# KiCad board SweetBusiness.kicad_pcb (continued)
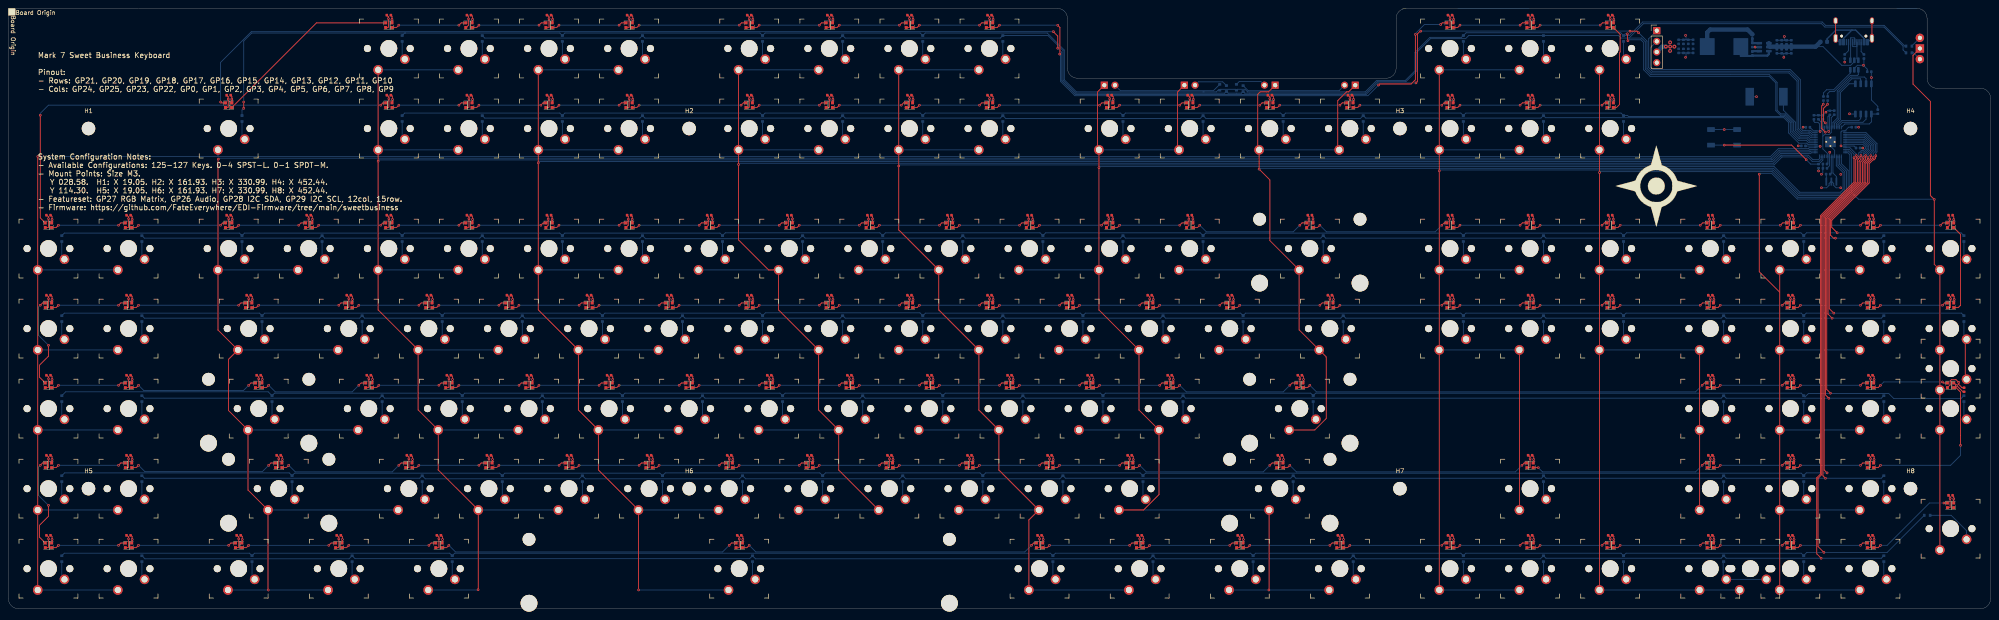
[diagram p0: board, top side]
## Routing (per net, layer and track width the routed paths; a pad name or vN(x,y) marks a point on that pad's centre or on a via; arc(x,y) is an arc through that point) (continued)
Net-(LD32-DOUT): length 18
  Top w0.2: LD32.1 92.32,90.73 v1(92.87,91.28) ; v1(107.16,91.28) 107.71,91.83 LD33.3
  Bottom w0.2: v1(92.87,91.28) v1(107.16,91.28)
Net-(LD33-DOUT): length 18
  Top w0.2: v1(111.92,91.28) 111.37,90.73 LD33.1 ; v1(126.65,91.28) 127.2,91.83 LD34.3
  Bottom w0.2: v1(111.92,91.28) v1(126.65,91.28)
Net-(LD34-DOUT): length 18
  Top w0.2: LD34.1 130.42,90.73 v1(130.97,91.28) ; v1(145.26,91.28) 145.81,91.83 LD35.3
  Bottom w0.2: v1(130.97,91.28) v1(145.26,91.28)
Net-(LD35-DOUT): length 18
  Top w0.2: LD35.1 149.47,90.73 v1(150.02,91.28) ; LD36.3 164.86,91.83 v1(164.31,91.28)
  Bottom w0.2: v1(150.02,91.28) v1(164.31,91.28)
Net-(LD36-DOUT): length 18
  Top w0.2: LD36.1 168.52,90.73 v1(169.07,91.28) ; LD37.3 183.91,91.83 v1(183.36,91.28)
  Bottom w0.2: v1(169.07,91.28) v1(183.36,91.28)
Net-(LD37-DOUT): length 18
  Top w0.2: LD38.3 202.96,91.83 v1(202.41,91.28) ; v1(188.12,91.28) 187.57,90.73 LD37.1
  Bottom w0.2: v1(188.12,91.28) v1(202.41,91.28)
Net-(LD38-DOUT): length 18
  Top w0.2: LD38.1 206.62,90.73 v1(207.17,91.28) ; LD39.3 222.01,91.83 v1(221.46,91.28)
  Bottom w0.2: v1(207.17,91.28) v1(221.46,91.28)
Net-(LD39-DOUT): length 18
  Top w0.2: v1(240.51,91.28) 241.06,91.83 LD40.3 ; LD39.1 225.67,90.73 v1(226.22,91.28)
  Bottom w0.2: v1(226.22,91.28) v1(240.51,91.28)
Net-(LD40-DOUT): length 18
  Top w0.2: LD40.1 244.72,90.73 v1(245.27,91.28) ; LD41.3 260.55,91.83 v1(260,91.28)
  Bottom w0.2: v1(245.27,91.28) v1(260,91.28)
Net-(LD41-DOUT): length 18
  Top w0.2: v1(264.32,91.28) 263.77,90.73 LD41.1 ; LD42.3 279.16,91.83 v1(278.61,91.28)
  Bottom w0.2: v1(264.32,91.28) v1(278.61,91.28)
Net-(LD42-DOUT): length 28.8
  Top w0.2: LD42.1 282.82,90.73 v1(283.37,91.28) ; LD43.3 307.73,91.83 v1(307.18,91.28)
  Bottom w0.2: v1(283.37,91.28) 284.94,89.71 305.61,89.71 v1(307.18,91.28)
Net-(LD43-DOUT): length 33.6
  Top w0.2: v1(340.96,91.28) 341.51,91.83 LD44.3 ; v1(311.94,91.28) 311.39,90.73 LD43.1
  Bottom w0.2: v1(311.94,91.28) 313.52,89.71 339.38,89.71 v1(340.96,91.28)
Net-(LD44-DOUT): length 18
  Top w0.2: LD45.3 360.12,91.83 v1(359.57,91.28) ; LD44.1 344.73,90.73 v1(345.28,91.28)
  Bottom w0.2: v1(345.28,91.28) v1(359.57,91.28)
Net-(LD45-DOUT): length 18
  Top w0.2: v1(379.06,91.28) 379.61,91.83 LD46.3 ; LD45.1 363.78,90.73 v1(364.33,91.28)
  Bottom w0.2: v1(364.33,91.28) v1(379.06,91.28)
Net-(LD46-DOUT): length 22.8
  Top w0.2: LD46.1 382.83,90.73 v1(383.38,91.28) ; v1(402.43,91.28) 402.98,91.83 LD47.3
  Bottom w0.2: v1(383.38,91.28) v1(402.43,91.28)
Net-(LD47-DOUT): length 18
  Top w0.2: LD47.1 406.64,90.73 v1(407.19,91.28) ; v1(421.48,91.28) 422.03,91.83 LD48.3
  Bottom w0.2: v1(407.19,91.28) v1(421.48,91.28)
Net-(LD48-DOUT): length 18
  Top w0.2: v1(440.53,91.28) 441.08,91.83 LD49.3 ; v1(426.24,91.28) 425.69,90.73 LD48.1
  Bottom w0.2: v1(426.24,91.28) v1(440.53,91.28)
Net-(LD49-DOUT): length 18
  Top w0.2: LD50.3 460.13,91.83 v1(459.58,91.28) ; v1(445.29,91.28) 444.74,90.73 LD49.1
  Bottom w0.2: v1(445.29,91.28) v1(459.58,91.28)
Net-(LD50-DOUT): length 21
  Top w0.2: LD73.3 463.79,71.68 464.34,72.23 464.33,72.25 464.33,84.12 464.34,84.14 464.34,89.1 LD50.1
Net-(LD51-DIN): length 18
  Top w0.2: v1(11.91,72.23) 11.36,71.68 LD51.3 ; LD52.1 26.74,72.78 v1(26.19,72.23)
  Bottom w0.2: v1(26.19,72.23) v1(11.91,72.23)
Net-(LD51-DOUT): length 22.5
  Top w0.2: LD51.1 8.13,72.78 v1(7.58,72.23) ; LD74.3 7.39,55.12 7.39,57.94 9.53,60.08 v1(9.53,62.71)
  Bottom w0.2: v1(9.53,62.71) 7.14,65.09 7.14,71.79 v1(7.58,72.23)
Net-(LD52-DIN): length 27.5
  Top w0.2: LD53.1 55.32,72.78 v1(54.77,72.23) ; LD52.3 30.41,71.68 v1(30.96,72.23)
  Bottom w0.2: v1(54.77,72.23) v1(30.96,72.23)
Net-(LD53-DIN): length 22.8
  Top w0.2: LD54.1 79.13,72.78 v1(78.58,72.23) ; v1(59.53,72.23) 58.98,71.68 LD53.3
  Bottom w0.2: v1(78.58,72.23) v1(59.53,72.23)
Net-(LD54-DIN): length 18
  Top w0.2: LD55.1 98.18,72.78 v1(97.63,72.23) ; v1(83.34,72.23) 82.79,71.68 LD54.3
  Bottom w0.2: v1(97.63,72.23) v1(83.34,72.23)
Net-(LD55-DIN): length 18
  Top w0.2: v1(102.39,72.23) 101.84,71.68 LD55.3 ; LD56.1 117.23,72.78 v1(116.68,72.23)
  Bottom w0.2: v1(116.68,72.23) v1(102.39,72.23)
Net-(LD56-DIN): length 18
  Top w0.2: LD56.3 120.89,71.68 v1(121.44,72.23) ; v1(135.73,72.23) 136.28,72.78 LD57.1
  Bottom w0.2: v1(135.73,72.23) v1(121.44,72.23)
Net-(LD57-DIN): length 18
  Top w0.2: v1(154.78,72.23) 155.33,72.78 LD58.1 ; v1(140.49,72.23) 139.94,71.68 LD57.3
  Bottom w0.2: v1(154.78,72.23) v1(140.49,72.23)
Net-(LD58-DIN): length 18
  Top w0.2: v1(159.54,72.23) 158.99,71.68 LD58.3 ; v1(173.83,72.23) 174.38,72.78 LD59.1
  Bottom w0.2: v1(173.83,72.23) v1(159.54,72.23)
Net-(LD59-DIN): length 18
  Top w0.2: v1(178.59,72.23) 178.04,71.68 LD59.3 ; LD60.1 193.43,72.78 v1(192.88,72.23)
  Bottom w0.2: v1(192.88,72.23) v1(178.59,72.23)
Net-(LD60-DIN): length 18
  Top w0.2: LD60.3 197.09,71.68 v1(197.64,72.23) ; LD61.1 212.48,72.78 v1(211.93,72.23)
  Bottom w0.2: v1(211.93,72.23) v1(197.64,72.23)
Net-(LD61-DIN): length 18
  Top w0.2: LD62.1 231.53,72.78 v1(230.98,72.23) ; v1(216.69,72.23) 216.14,71.68 LD61.3
  Bottom w0.2: v1(230.98,72.23) v1(216.69,72.23)
Net-(LD62-DIN): length 18
  Top w0.2: v1(250.03,72.23) 250.58,72.78 LD63.1 ; v1(235.74,72.23) 235.19,71.68 LD62.3
  Bottom w0.2: v1(250.03,72.23) v1(235.74,72.23)
Net-(LD63-DIN): length 18
  Top w0.2: v1(254.79,72.23) 254.24,71.68 LD63.3 ; LD64.1 269.63,72.78 v1(269.08,72.23)
  Bottom w0.2: v1(269.08,72.23) v1(254.79,72.23)
Net-(LD64-DIN): length 18
  Top w0.2: v1(288.13,72.23) 288.68,72.78 LD65.1 ; v1(273.84,72.23) 273.29,71.68 LD64.3
  Bottom w0.2: v1(288.13,72.23) v1(273.84,72.23)
Net-(LD65-DIN): length 22.8
  Top w0.2: v1(292.89,72.23) 292.34,71.68 LD65.3 ; v1(311.94,72.23) 312.49,72.78 LD66.1
  Bottom w0.2: v1(311.94,72.23) v1(292.89,72.23)
Net-(LD66-DIN): length 27.5
  Top w0.2: v1(316.71,72.23) 316.16,71.68 LD66.3 ; v1(340.96,72.23) 341.51,72.78 LD67.1
  Bottom w0.2: v1(340.96,72.23) v1(316.71,72.23)
Net-(LD67-DIN): length 18
  Top w0.2: v1(359.57,72.23) 360.12,72.78 LD68.1 ; v1(345.28,72.23) 344.73,71.68 LD67.3
  Bottom w0.2: v1(359.57,72.23) v1(345.28,72.23)
Net-(LD68-DIN): length 18
  Top w0.2: LD69.1 379.61,72.78 v1(379.06,72.23) ; LD68.3 363.78,71.68 v1(364.33,72.23)
  Bottom w0.2: v1(379.06,72.23) v1(364.33,72.23)
Net-(LD69-DIN): length 22.8
  Top w0.2: v1(402.43,72.23) 402.98,72.78 LD70.1 ; LD69.3 382.83,71.68 v1(383.38,72.23)
  Bottom w0.2: v1(402.43,72.23) v1(383.38,72.23)
Net-(LD70-DIN): length 18
  Top w0.2: LD70.3 406.64,71.68 v1(407.19,72.23) ; LD71.1 422.47,72.78 v1(421.92,72.23)
  Bottom w0.2: v1(421.92,72.23) v1(407.19,72.23)
Net-(LD71-DIN): length 18
  Top w0.2: LD72.1 441.08,72.78 v1(440.53,72.23) ; LD71.3 425.69,71.68 v1(426.24,72.23)
  Bottom w0.2: v1(440.53,72.23) v1(426.24,72.23)
Net-(LD72-DIN): length 18
  Top w0.2: LD73.1 460.57,72.78 v1(460.02,72.23) ; v1(445.29,72.23) 444.74,71.68 LD72.3
  Bottom w0.2: v1(445.29,72.23) v1(460.02,72.23)
Net-(LD74-DOUT): length 18
  Top w0.2: v1(11.91,53.18) 11.36,52.63 LD74.1 ; LD75.3 26.74,53.73 v1(26.19,53.18)
  Bottom w0.2: v1(11.91,53.18) v1(26.19,53.18)
Net-(LD75-DOUT): length 31
  Top w0.2: v1(57.15,53.18) 57.7,53.73 LD76.3 ; v1(30.96,53.18) 30.41,52.63 LD75.1
  Bottom w0.2: v1(30.96,53.18) 32.21,51.93 55.89,51.93 v1(57.15,53.18)
Net-(LD76-DOUT): length 26.5
  Top w0.2: v1(83.34,53.18) 83.89,53.73 LD77.3 ; LD76.1 61.36,52.63 v1(61.91,53.18)
  Bottom w0.2: v1(61.91,53.18) 63.49,51.61 81.77,51.61 v1(83.34,53.18)
Net-(LD77-DOUT): length 18
  Top w0.2: LD77.1 87.56,52.63 v1(88.11,53.18) ; v1(102.39,53.18) 102.94,53.73 LD78.3
  Bottom w0.2: v1(88.11,53.18) v1(102.39,53.18)
Net-(LD78-DOUT): length 18
  Top w0.2: LD78.1 106.61,52.63 v1(107.16,53.18) ; v1(121.44,53.18) 121.99,53.73 LD79.3
  Bottom w0.2: v1(107.16,53.18) v1(121.44,53.18)
Net-(LD79-DOUT): length 18
  Top w0.2: v1(140.49,53.18) 141.04,53.73 LD80.3 ; LD79.1 125.66,52.63 v1(126.21,53.18)
  Bottom w0.2: v1(126.21,53.18) v1(140.49,53.18)
Net-(LD80-DOUT): length 18
  Top w0.2: v1(159.54,53.18) 160.09,53.73 LD81.3 ; v1(145.26,53.18) 144.71,52.63 LD80.1
  Bottom w0.2: v1(145.26,53.18) v1(159.54,53.18)
Net-(LD81-DOUT): length 18
  Top w0.2: LD81.1 163.76,52.63 v1(164.31,53.18) ; LD82.3 179.14,53.73 v1(178.59,53.18)
  Bottom w0.2: v1(164.31,53.18) v1(178.59,53.18)
Net-(LD82-DOUT): length 18
  Top w0.2: v1(183.36,53.18) 182.81,52.63 LD82.1 ; LD83.3 198.19,53.73 v1(197.64,53.18)
  Bottom w0.2: v1(183.36,53.18) v1(197.64,53.18)
Net-(LD83-DOUT): length 18
  Top w0.2: v1(216.69,53.18) 217.24,53.73 LD84.3 ; LD83.1 201.86,52.63 v1(202.41,53.18)
  Bottom w0.2: v1(202.41,53.18) v1(216.69,53.18)
Net-(LD84-DOUT): length 18
  Top w0.2: v1(221.46,53.18) 220.91,52.63 LD84.1 ; LD85.3 236.29,53.73 v1(235.74,53.18)
  Bottom w0.2: v1(221.46,53.18) v1(235.74,53.18)
Net-(LD85-DOUT): length 18
  Top w0.2: LD85.1 239.96,52.63 v1(240.51,53.18) ; LD86.3 255.34,53.73 v1(254.79,53.18)
  Bottom w0.2: v1(240.51,53.18) v1(254.79,53.18)
Net-(LD86-DOUT): length 18
  Top w0.2: LD86.1 259.01,52.63 v1(259.56,53.18) ; v1(273.84,53.18) 274.39,53.73 LD87.3
  Bottom w0.2: v1(259.56,53.18) v1(273.84,53.18)
Net-(LD87-DOUT): length 31.2
  Top w0.2: LD87.1 278.06,52.63 v1(278.61,53.18) ; v1(304.8,53.18) 305.35,53.73 LD88.3
  Bottom w0.2: v1(278.61,53.18) 280.18,51.61 303.22,51.61 v1(304.8,53.18)
Net-(LD88-DOUT): length 97.9
  Top w0.2: v1(402.87,53.18) 403.42,53.73 LD89.3 ; v1(309.56,53.18) 309.01,52.63 LD88.1
  Bottom w0.2: v1(309.56,53.18) 311.14,51.61 401.3,51.61 v1(402.87,53.18)
Net-(LD89-DOUT): length 18
  Top w0.2: LD90.3 422.47,53.73 v1(421.92,53.18) ; v1(407.19,53.18) 406.64,52.63 LD89.1
  Bottom w0.2: v1(407.19,53.18) v1(421.92,53.18)
Net-(LD90-DOUT): length 18
  Top w0.2: LD91.3 441.08,53.73 v1(440.53,53.18) ; v1(426.24,53.18) 425.69,52.63 LD90.1
  Bottom w0.2: v1(426.24,53.18) v1(440.53,53.18)
Net-(LD91-DOUT): length 18.2
  Top w0.2: LD91.1 444.74,52.63 v1(445.29,53.18) ; LD92.3 460.27,53.73 v1(460.02,53.98)
  Bottom w0.2: v1(445.29,53.18) 446.09,53.98 v1(460.02,53.98)
Net-(LD93-DIN): length 18
  Top w0.2: v1(26.19,34.13) 26.74,34.68 LD94.1 ; LD93.3 11.36,33.58 v1(11.91,34.13)
  Bottom w0.2: v1(26.19,34.13) v1(11.91,34.13)
Net-(LD94-DIN): length 35.9
  Top w0.2: LD94.3 30.41,33.58 v1(30.96,34.13) ; LD95.1 62.46,34.68 v1(61.91,34.13)
  Bottom w0.2: v1(30.96,34.13) 32.47,32.62 60.4,32.62 v1(61.91,34.13)
Net-(LD95-DIN): length 31.2
  Top w0.2: LD95.3 66.12,33.58 v1(66.67,34.13) ; LD96.1 93.42,34.68 v1(92.87,34.13)
  Bottom w0.2: v1(66.67,34.13) 68.25,32.56 91.29,32.56 v1(92.87,34.13)
Net-(LD96-DIN): length 18
  Top w0.2: v1(97.63,34.13) 97.08,33.58 LD96.3 ; v1(111.92,34.13) 112.47,34.68 LD97.1
  Bottom w0.2: v1(111.92,34.13) v1(97.63,34.13)
Net-(LD97-DIN): length 18
  Top w0.2: v1(130.97,34.13) 131.52,34.68 LD98.1 ; LD97.3 116.13,33.58 v1(116.68,34.13)
  Bottom w0.2: v1(130.97,34.13) v1(116.68,34.13)
Net-(LD98-DIN): length 18
  Top w0.2: LD98.3 135.18,33.58 v1(135.73,34.13) ; v1(150.02,34.13) 150.57,34.68 LD99.1
  Bottom w0.2: v1(150.02,34.13) v1(135.73,34.13)
Net-(LD100-DIN): length 18
  Top w0.2: LD101.1 188.67,34.68 v1(188.12,34.13) ; v1(173.83,34.13) 173.28,33.58 LD100.3
  Bottom w0.2: v1(188.12,34.13) v1(173.83,34.13)
Net-(LD100-DOUT): length 18
  Top w0.2: LD99.3 154.23,33.58 v1(154.78,34.13) ; v1(169.07,34.13) 169.62,34.68 LD100.1
  Bottom w0.2: v1(169.07,34.13) v1(154.78,34.13)
Net-(LD101-DIN): length 18
  Top w0.2: v1(192.88,34.13) 192.33,33.58 LD101.3 ; v1(207.17,34.13) 207.72,34.68 LD102.1
  Bottom w0.2: v1(207.17,34.13) v1(192.88,34.13)
Net-(LD102-DIN): length 18
  Top w0.2: v1(211.93,34.13) 211.38,33.58 LD102.3 ; LD103.1 226.77,34.68 v1(226.22,34.13)
  Bottom w0.2: v1(226.22,34.13) v1(211.93,34.13)
Net-(LD103-DIN): length 18
  Top w0.2: LD103.3 230.43,33.58 v1(230.98,34.13) ; LD104.1 245.82,34.68 v1(245.27,34.13)
  Bottom w0.2: v1(245.27,34.13) v1(230.98,34.13)
Net-(LD104-DIN): length 18
  Top w0.2: v1(250.03,34.13) 249.48,33.58 LD104.3 ; LD105.1 264.87,34.68 v1(264.32,34.13)
  Bottom w0.2: v1(264.32,34.13) v1(250.03,34.13)
Net-(LD105-DIN): length 36
  Top w0.2: v1(269.08,34.13) 268.53,33.58 LD105.3 ; LD106.1 300.59,34.68 v1(300.04,34.13)
  Bottom w0.2: v1(269.08,34.13) 270.66,32.56 298.46,32.56 v1(300.04,34.13)
Net-(LD106-DIN): length 59.8
  Top w0.2: LD106.3 304.25,33.58 v1(304.8,34.13) ; v1(360.01,34.13) 360.56,34.68 LD107.1
  Bottom w0.2: v1(304.8,34.13) 306.38,32.56 358.43,32.56 v1(360.01,34.13)
Net-(LD107-DIN): length 42.7
  Top w0.2: LD108.1 403.42,34.68 v1(402.87,34.13) ; LD107.3 363.89,33.58 v1(363.9,33.58)
  Bottom w0.2: v1(363.9,33.58) 364.92,32.56 401.3,32.56 v1(402.87,34.13)
Net-(LD108-DIN): length 18
  Top w0.2: LD108.3 406.64,33.58 v1(407.19,34.13) ; v1(421.92,34.13) 422.47,34.68 LD109.1
  Bottom w0.2: v1(421.92,34.13) v1(407.19,34.13)
Net-(LD109-DIN): length 18
  Top w0.2: LD109.3 425.69,33.58 v1(426.24,34.13) ; LD110.1 441.08,34.68 v1(440.53,34.13)
  Bottom w0.2: v1(440.53,34.13) v1(426.24,34.13)
Net-(LD110-DIN): length 39
  Top w0.2: v1(464.34,38.89) 464.34,41.28 464.33,41.29 464.33,46.02 464.34,46.04 464.34,51.55 463.26,52.63 LD92.1 ; LD110.3 444.74,33.58 v1(445.29,34.13)
  Bottom w0.2: v1(464.34,38.89) 464.34,36.51 461.96,34.13 v1(445.29,34.13)
Net-(LD111-DIN): length 22.5
  Top w0.2: v1(7.58,34.13) 8.13,34.68 LD93.1 ; v1(9.53,24.61) 9.53,21.98 7.39,19.84 7.39,17.02 LD111.3
  Bottom w0.2: v1(7.58,34.13) 7.14,33.69 7.14,26.99 v1(9.53,24.61)
Net-(LD111-DOUT): length 18
  Top w0.2: LD112.3 26.74,15.63 v1(26.19,15.08) ; LD111.1 11.36,14.53 v1(11.91,15.08)
  Bottom w0.2: v1(11.91,15.08) v1(26.19,15.08)
Net-(LD112-DOUT): length 25.1
  Top w0.2: v1(30.96,15.08) 30.41,14.53 LD112.1 ; LD113.3 52.94,15.63 v1(52.39,15.08)
  Bottom w0.2: v1(30.96,15.08) v1(52.39,15.08)
Net-(LD113-DOUT): length 22.8
  Top w0.2: v1(76.2,15.08) 76.75,15.63 LD114.3 ; v1(57.15,15.08) 56.6,14.53 LD113.1
  Bottom w0.2: v1(57.15,15.08) v1(76.2,15.08)
Net-(LD114-DOUT): length 22.8
  Top w0.2: LD115.3 100.56,15.63 v1(100.01,15.08) ; LD114.1 80.41,14.53 v1(80.96,15.08)
  Bottom w0.2: v1(80.96,15.08) v1(100.01,15.08)
Net-(LD115-DOUT): length 71.7
  Top w0.2: LD116.3 172,15.63 v1(171.45,15.08) ; v1(104.78,15.08) 104.22,14.53 LD115.1
  Bottom w0.2: v1(104.78,15.08) 106.35,13.51 169.87,13.51 v1(171.45,15.08)
Net-(LD116-DOUT): length 71.7
  Top w0.2: LD116.1 175.66,14.53 v1(176.21,15.08) ; v1(243.33,15.08) 243.88,15.63 LD117.3
  Bottom w0.2: v1(176.21,15.08) 177.79,13.51 241.75,13.51 v1(243.33,15.08)
Net-(LD117-DOUT): length 22.8
  Top w0.2: LD118.3 267.25,15.63 v1(266.7,15.08) ; LD117.1 247.1,14.53 v1(247.65,15.08)
  Bottom w0.2: v1(247.65,15.08) v1(266.7,15.08)
Net-(LD118-DOUT): length 22.8
  Top w0.2: LD118.1 270.91,14.53 v1(271.46,15.08) ; v1(290.51,15.08) 291.06,15.63 LD119.3
  Bottom w0.2: v1(271.46,15.08) v1(290.51,15.08)
Net-(LD119-DOUT): length 22.8
  Top w0.2: LD119.1 294.73,14.53 v1(295.27,15.08) ; LD120.3 314.88,15.63 v1(314.32,15.08)
  Bottom w0.2: v1(295.27,15.08) v1(314.32,15.08)
Net-(LD120-DOUT): length 25.1
  Top w0.2: LD121.3 341.51,15.63 v1(340.96,15.08) ; v1(319.09,15.08) 318.54,14.53 LD120.1
  Bottom w0.2: v1(319.09,15.08) v1(340.96,15.08)
Net-(LD121-DOUT): length 18
  Top w0.2: v1(345.28,15.08) 344.73,14.53 LD121.1 ; v1(359.57,15.08) 360.12,15.63 LD122.3
  Bottom w0.2: v1(345.28,15.08) v1(359.57,15.08)
Net-(LD122-DOUT): length 18
  Top w0.2: v1(364.33,15.08) 363.78,14.53 LD122.1 ; LD123.3 379.61,15.63 v1(379.06,15.08)
  Bottom w0.2: v1(364.33,15.08) v1(379.06,15.08)
Net-(LD123-DOUT): length 22.8
  Top w0.2: v1(402.43,15.08) 402.98,15.63 LD124.3 ; v1(383.38,15.08) 382.83,14.53 LD123.1
  Bottom w0.2: v1(383.38,15.08) v1(402.43,15.08)
Net-(LD124-DOUT): length 18
  Top w0.2: LD125.3 422.47,15.63 v1(421.92,15.08) ; LD124.1 406.64,14.53 v1(407.19,15.08)
  Bottom w0.2: v1(407.19,15.08) v1(421.92,15.08)
Net-(LD125-DOUT): length 18
  Top w0.2: LD126.3 441.08,15.63 v1(440.53,15.08) ; LD125.1 425.69,14.53 v1(426.24,15.08)
  Bottom w0.2: v1(426.24,15.08) v1(440.53,15.08)
Net-(LD126-DOUT): length 22
  Top w0.2: LD126.1 444.74,14.53 v1(445.29,15.08) ; v1(460.38,25.16) LD127.3
  Bottom w0.2: v1(445.29,15.08) 446.88,15.08 456.96,25.16 v1(460.38,25.16)
Net-(RX2-Pad2): length 1.8
  Bottom w0.2: RX2.2 432.41,103.39 432.41,101.66
Net-(U0-USB_DM): length 9.2
  Top w0.2: v1(431.7,120.08) 431.33,119.7 431.33,114.3 v1(432.19,113.44)
  Bottom w0.2: U0.46 431.99,113.64 v1(432.19,113.44) ; v1(431.7,120.08) 431.7,120.93
Net-(U0-USB_DP): length 7.1
  Top w0.2: v1(432.19,115.63) 431.73,116.1 431.73,119.08 v1(432.72,120.08)
  Bottom w0.2: v1(432.72,120.08) 432.72,120.93 ; U0.47 432.39,115.43 v1(432.19,115.63)
Net-(U1-BS): length 1.7
  Bottom w0.5: 416.47,132.72 414.9,132.72 CP1.1
Net-(U1-FB): length 2.7
  Bottom w0.5: U1.3 414.86,134.62 ; RP1.2 RP2.1
Net-(U1-SW): length 9.8
  Bottom w0.5: LP1.1 412.08,131.57 414.73,131.57 CP1.2 418.39,131.66 418.75,132.01 418.75,132.72

## Copper pours and planes (outline as drawn; the poured copper is in the pictures)
+3V3 on Bottom: 406.56,129.38 391.54,129.38 391.54,138.91 406.56,138.91
+3V3 on In1.Cu: 471.49,0 0,0 0,142.88 471.49,142.88
GND on Bottom: 436.15,99.89 430.94,99.89 430.94,103.7 436.15,103.7
GND on In2.Cu: 471.49,0 0,0 0,142.88 471.49,142.88

## Text on the board
B.Silkscreen: 1x | 2x | MARK 7 | 130% MECHANICAL KEYBOARD | SWEET BUSINESS
F.Silkscreen: Board Origin | Mark 7 Sweet Business Keyboard / Pinout: / - Rows: GP21, GP20, GP19, GP18, GP17, GP16, GP15, GP14, GP13, GP12, GP11, GP10 / - Cols: GP24, GP25, GP23, GP22, GP0, GP1, GP2, GP3, GP4, GP5, GP6, GP7, GP8, GP9 / System Configuration Notes: / - Available Configurations: 125-127 Keys. 0-4 SPST-L. 0-1 SPDT-M. / - Mount Points: Size M3. / Y 028.58.  H1: X 19.05. H2: X 161.93. H3: X 330.99. H4: X 452.44. / Y 114.30.  H5: X 19.05. H6: X 161.93. H7: X 330.99. H8: X 452.44. / - Featureset: GP27 RGB Matrix, GP26 Audio, GP28 I2C SDA, GP29 I2C SCL, 12col, 15row. / - Firmware: https://github.com/FateEverywhere/EDI-Firmware/tree/main/sweetbusiness
